# KiCad board AMLDC-2044B p2.kicad_pcb

No outline. copper layers: Top, Bottom. Coordinates in mm from the lowest, leftmost part position.

## Placement (name value [footprint] x y rotation side)
C1  CAP_Disc_Common_-_Entrex_Trapezoid  [Disc Capacitor Common Entrex Trapezoid]  105.97 373.63 90 top
C2  CAP_Disc_Common_-_Entrex_Trapezoid  [Disc Capacitor Common Entrex Trapezoid]  670.19 225.8 0 top
C3  CAP_Disc_Common_-_Entrex_Trapezoid  [Disc Capacitor Common Entrex Trapezoid]  670.19 221.75 0 top
C4  CAP_Disc_Common_-_Entrex_Trapezoid  [Disc Capacitor Common Entrex Trapezoid]  670.19 217.7 0 top
C5  CAP_Disc_Common_-_Entrex_Trapezoid  [Disc Capacitor Common Entrex Trapezoid]  345.97 398.1 180 top
C6  CAP  [CAP non-polarized P25.00mm]  123.88 497.57 0 top
C7  CAP_Disc_Common_-_Entrex_Trapezoid  [Disc Capacitor Common Entrex Trapezoid]  361.12 399.35 180 top
C8  CAP_Disc_Common_-_Entrex_Trapezoid  [Disc Capacitor Common Entrex Trapezoid]  426.64 166.03 180 top
C9  CAP_Disc_Common_-_Entrex_Trapezoid  [Disc Capacitor Common Entrex Trapezoid]  416.69 166.08 180 top
C10  CAP_Disc_Common_-_Entrex_Trapezoid  [Disc Capacitor Common Entrex Trapezoid]  120.61 133.3 0 top
C11  CAP_Disc_Common_-_Entrex_Trapezoid  [Disc Capacitor Common Entrex Trapezoid]  273.01 275.32 0 top
C12  CAP_Disc_Common_-_Entrex_Trapezoid  [Disc Capacitor Common Entrex Trapezoid]  266.37 308.41 0 top
C13  CAP_Disc_Common_-_Entrex_Trapezoid  [Disc Capacitor Common Entrex Trapezoid]  206.02 382.11 0 top
C14  CAP_Disc_Common_-_Entrex_Trapezoid  [Disc Capacitor Common Entrex Trapezoid]  223.27 387.33 90 top
C15  CAP_Disc_Common_-_Entrex_Trapezoid  [Disc Capacitor Common Entrex Trapezoid]  204.32 366.98 0 top
C16  CAP_Disc_Common_-_Entrex_Trapezoid  [Disc Capacitor Common Entrex Trapezoid]  167.47 399.31 0 top
C17  CAP_Disc_Common_-_Entrex_Trapezoid  [Disc Capacitor Common Entrex Trapezoid]  426.59 381.2 180 top
C18  CAP_Disc_Common_-_Entrex_Trapezoid  [Disc Capacitor Common Entrex Trapezoid]  621.71 147.28 0 top
C19  CAP_Disc_Common_-_Entrex_Trapezoid  [Disc Capacitor Common Entrex Trapezoid]  621.71 143.23 0 top
C20  CAP_Disc_Common_-_Entrex_Trapezoid  [Disc Capacitor Common Entrex Trapezoid]  621.71 139.18 0 top
C21  CAP_Disc_Common_-_Entrex_Trapezoid  [Disc Capacitor Common Entrex Trapezoid]  621.71 135.13 0 top
C22  CAP_Disc_Common_-_Entrex_Trapezoid  [Disc Capacitor Common Entrex Trapezoid]  621.71 131.08 0 top
C23  CAP_Disc_Common_-_Entrex_Trapezoid  [Disc Capacitor Common Entrex Trapezoid]  621.71 127.03 0 top
C24  CAP_Disc_Common_-_Entrex_Trapezoid  [Disc Capacitor Common Entrex Trapezoid]  311.04 349.53 180 top
C25  CAP_Disc_Common_-_Entrex_Trapezoid  [Disc Capacitor Common Entrex Trapezoid]  233.82 366.46 0 top
C26  CAP_Disc_Common_-_Entrex_Trapezoid  [Disc Capacitor Common Entrex Trapezoid]  232.67 327.51 0 top
C27  CAP_Disc_Common_-_Entrex_Trapezoid  [Disc Capacitor Common Entrex Trapezoid]  241.9 347.93 0 top
C28  CAP_Disc_Common_-_Entrex_Trapezoid  [Disc Capacitor Common Entrex Trapezoid]  178.22 372.61 0 top
C29  CAP_Disc_Common_-_Entrex_Trapezoid  [Disc Capacitor Common Entrex Trapezoid]  193.62 382.11 0 top
C30  CAP_Disc_Common_-_Entrex_Trapezoid  [Disc Capacitor Common Entrex Trapezoid]  207.97 399.16 0 top
C31  CAP_Disc_Common_-_Entrex_Trapezoid  [Disc Capacitor Common Entrex Trapezoid]  139.77 382.81 0 top
C32  CAP_Disc_Common_-_Entrex_Trapezoid  [Disc Capacitor Common Entrex Trapezoid]  631.65 151.33 0 top
C33  CAP_Disc_Common_-_Entrex_Trapezoid  [Disc Capacitor Common Entrex Trapezoid]  631.65 147.28 0 top
C34  CAP_Disc_Common_-_Entrex_Trapezoid  [Disc Capacitor Common Entrex Trapezoid]  631.65 143.23 0 top
C35  CAP_Disc_Common_-_Entrex_Trapezoid  [Disc Capacitor Common Entrex Trapezoid]  631.65 139.18 0 top
C36  CAP_Disc_Common_-_Entrex_Trapezoid  [Disc Capacitor Common Entrex Trapezoid]  387.47 114.18 180 top
C37  CAP_Disc_Common_-_Entrex_Trapezoid  [Disc Capacitor Common Entrex Trapezoid]  345.49 148.75 180 top
C38  CAP_Disc_Common_-_Entrex_Trapezoid  [Disc Capacitor Common Entrex Trapezoid]  387.62 149.1 180 top
C39  CAP_Disc_Common_-_Entrex_Trapezoid  [Disc Capacitor Common Entrex Trapezoid]  268.67 133.55 180 top
C40  CAP_Disc_Common_-_Entrex_Trapezoid  [Disc Capacitor Common Entrex Trapezoid]  304.99 362.53 180 top
C41  CAP_Disc_Common_-_Entrex_Trapezoid  [Disc Capacitor Common Entrex Trapezoid]  266.62 396.31 0 top
C42  CAP_Disc_Common_-_Entrex_Trapezoid  [Disc Capacitor Common Entrex Trapezoid]  275.02 381.86 0 top
C43  CAP_Disc_Common_-_Entrex_Trapezoid  [Disc Capacitor Common Entrex Trapezoid]  161.87 348.01 0 top
C44  CAP_Disc_Common_-_Entrex_Trapezoid  [Disc Capacitor Common Entrex Trapezoid]  191.07 350.56 0 top
C45  CAP_Disc_Common_-_Entrex_Trapezoid  [Disc Capacitor Common Entrex Trapezoid]  139.57 385.81 0 top
C46  CAP_Disc_Common_-_Entrex_Trapezoid  [Disc Capacitor Common Entrex Trapezoid]  149.17 384.21 0 top
C47  CAP_Disc_Common_-_Entrex_Trapezoid  [Disc Capacitor Common Entrex Trapezoid]  394.29 258.38 180 top
C48  CAP_Disc_Common_-_Entrex_Trapezoid  [Disc Capacitor Common Entrex Trapezoid]  375.15 254.38 270 top
C49  CAP_Disc_Common_-_Entrex_Trapezoid  [Disc Capacitor Common Entrex Trapezoid]  357.84 241.48 180 top
C50  CAP_Disc_Common_-_Entrex_Trapezoid  [Disc Capacitor Common Entrex Trapezoid]  349.34 256.78 180 top
C51  CAP_Disc_Common_-_Entrex_Trapezoid  [Disc Capacitor Common Entrex Trapezoid]  387.64 325.28 180 top
C52  CAP_Disc_Common_-_Entrex_Trapezoid  [Disc Capacitor Common Entrex Trapezoid]  344.49 364.53 180 top
C53  CAP_Disc_Common_-_Entrex_Trapezoid  [Disc Capacitor Common Entrex Trapezoid]  425.39 345.63 180 top
C54  CAP_Disc_Common_-_Entrex_Trapezoid  [Disc Capacitor Common Entrex Trapezoid]  418.24 209.48 180 top
C55  CAP_Disc_Common_-_Entrex_Trapezoid  [Disc Capacitor Common Entrex Trapezoid]  261.22 172.61 0 top
C56  CAP_Disc_Common_-_Entrex_Trapezoid  [Disc Capacitor Common Entrex Trapezoid]  266.03 290.78 0 top
C57  CAP_Disc_Common_-_Entrex_Trapezoid  [Disc Capacitor Common Entrex Trapezoid]  117.87 238.61 0 top
C58  CAP_Disc_Common_-_Entrex_Trapezoid  [Disc Capacitor Common Entrex Trapezoid]  128.37 350.41 0 top
C59  CAP_Disc_Common_-_Entrex_Trapezoid  [Disc Capacitor Common Entrex Trapezoid]  128.42 347.81 0 top
C60  CAP_Disc_Common_-_Entrex_Trapezoid  [Disc Capacitor Common Entrex Trapezoid]  128.42 332.81 0 top
C61  CAP_Disc_Common_-_Entrex_Trapezoid  [Disc Capacitor Common Entrex Trapezoid]  128.42 329.63 0 top
C62  CAP_Disc_Common_-_Entrex_Trapezoid  [Disc Capacitor Common Entrex Trapezoid]  154.27 295.86 0 top
C63  CAP_Disc_Common_-_Entrex_Trapezoid  [Disc Capacitor Common Entrex Trapezoid]  114.26 275.32 0 top
C64  CAP_Disc_Common_-_Entrex_Trapezoid  [Disc Capacitor Common Entrex Trapezoid]  126.82 238.61 0 top
C65  CAP_Disc_Common_-_Entrex_Trapezoid  [Disc Capacitor Common Entrex Trapezoid]  122.73 232.09 315 top
C66  CAP_Disc_Common_-_Entrex_Trapezoid  [Disc Capacitor Common Entrex Trapezoid]  156.22 230.7 135 top
C67  CAP_Disc_Common_-_Entrex_Trapezoid  [Disc Capacitor Common Entrex Trapezoid]  195.99 232.09 315 top
C68  CAP_Disc_Common_-_Entrex_Trapezoid  [Disc Capacitor Common Entrex Trapezoid]  235.58 234.44 135 top
C69  CAP_Disc_Common_-_Entrex_Trapezoid  [Disc Capacitor Common Entrex Trapezoid]  196.87 171.31 0 top
C70  CAP_Disc_Common_-_Entrex_Trapezoid  [Disc Capacitor Common Entrex Trapezoid]  230.12 171.11 0 top
C71  CAP_Disc_Common_-_Entrex_Trapezoid  [Disc Capacitor Common Entrex Trapezoid]  118.82 256.36 0 top
C72  CAP_Disc_Common_-_Entrex_Trapezoid  [Disc Capacitor Common Entrex Trapezoid]  127.97 256.41 0 top
CR1  1N4001  [D_DO-41_SOD81_P12.70mm_Horizontal]  111.83 388.34 0 top
CR2  1N4001  [Diode for Entrex-AMLDC Board]  401.83 275.89 270 top
CR3  1N4001  [Diode for Entrex-AMLDC Board]  181.8 379.84 180 top
CR4  1N4001  [Diode for Entrex-AMLDC Board]  215.43 374.22 90 top
CR5  1N4001  [Diode for Entrex-AMLDC Board]  92.18 380.92 90 top
J1  Port A  [portA_NovaMod]  0 308.61 0 top
J2  Port B  [portB_NovaMod]  3.28 119.76 0 top
JP1  Vipass Ammeter  [DG Nova Board Jumper 5mm]  125.28 296.8 270 top
JP2  Vipass Ammeter  [DG Nova Board Jumper 5mm]  122.78 296.85 270 top
JP3  Vipass Ammeter  [DG Nova Board Jumper 5mm]  120.28 296.8 270 top
JP4  Vipass Ammeter  [DG Nova Board Jumper 5mm]  117.78 296.8 270 top
JP5  Vipass Ammeter  [DG Nova Board Jumper 5mm]  115.28 296.8 270 top
JP6  Vipass Ammeter  [DG Nova Board Jumper 5mm]  112.78 296.85 270 top
JP7  Vipass Ammeter  [DG Nova Board Jumper 3.8mm]  136.94 160.74 0 top
JP8  Vipass Ammeter  [DG Nova Board Jumper 3.8mm]  136.99 158.14 0 top
Q1  PNP MPS6533  [TO-92]  418.83 170.59 135 top
R1  ~  [R_Axial_DIN0411_L9.9mm_D3.6mm_P12.70mm_Horizontal]  256.73 383.09 90 top
R2  ~  [Resistor for Entrex-AMLDC Board#2]  253.98 369.14 90 top
R3  R_US  [Resistor for Entrex-AMLDC Board]  175.86 303.26 90 top
R4  ~  [Resistor for Entrex-AMLDC Board]  96.48 249.67 0 top
R5  R_US  [Resistor for Entrex-AMLDC Board]  172.05 296.28 90 top
R6  R_US  [Resistor for Entrex-AMLDC Board]  142.63 277.69 90 top
R7  R_US  [Resistor for Entrex-AMLDC Board]  130.38 277.74 90 top
R8  R_US  [Resistor for Entrex-AMLDC Board]  142.38 312.04 0 top
R9  R_US  [Resistor for Entrex-AMLDC Board]  148.55 351.52 0 top
R10  R_US  [Resistor for Entrex-AMLDC Board]  129.56 371.79 0 top
R11  R_US  [Resistor for Entrex-AMLDC Board]  148.33 366.74 0 top
R12  R_US  [Resistor for Entrex-AMLDC Board]  171.83 364.74 0 top
R13  R_US  [Resistor for Entrex-AMLDC Board]  185.96 366.69 0 top
R14  R_US  [Resistor for Entrex-AMLDC Board]  169.63 354.04 0 top
R15  R_US  [Resistor for Entrex-AMLDC Board]  91.48 230.59 90 top
R16  R_US  [Resistor for Entrex-AMLDC Board]  93.93 226.84 90 top
R17  R_US  [Resistor for Entrex-AMLDC Board]  91.38 247.34 90 top
R18  R_US  [Resistor for Entrex-AMLDC Board]  100.13 384.42 90 top
R19  R_US  [Resistor for Entrex-AMLDC Board]  111.03 392.44 0 top
R20  R_US  [Resistor for Entrex-AMLDC Board]  416.6 181.69 0 top
R21  R_US  [Resistor for Entrex-AMLDC Board]  412.95 177.64 0 top
R22  R_US  [Resistor for Entrex-AMLDC Board]  434.08 148.59 90 top
R23  R_US  [Resistor for Entrex-AMLDC Board]  426.88 158.44 180 top
R24  R_US  [Resistor for Entrex-AMLDC Board]  412.83 154.94 0 top
R25  R_US  [Resistor for Entrex-AMLDC Board]  414.06 162.49 0 top
R26  R_US  [Resistor for Entrex-AMLDC Board]  596.78 156.79 0 top
R27  R_US  [Resistor for Entrex-AMLDC Board]  224.18 365.52 90 top
R28  R_US  [Resistor for Entrex-AMLDC Board]  664.44 192.12 180 top
R29  R_US  [Resistor for Entrex-AMLDC Board]  220.53 384.44 90 top
R30  R_US  [Resistor for Entrex-AMLDC Board]  217.83 384.79 90 top
R31  R_US  [Resistor for Entrex-AMLDC Board]  282.18 295.44 0 top
R32  R_US  [Resistor for Entrex-AMLDC Board]  104.74 323.58 90 top
R33  R_US  [Resistor for Entrex-AMLDC Board]  123.98 329.74 180 top
R34  R_US  [Resistor for Entrex-AMLDC Board]  86.23 238.24 90 top
R35  R_US  [Resistor for Entrex-AMLDC Board]  88.73 234.27 90 top
R36  R_US  [Resistor for Entrex-AMLDC Board]  88.78 251.04 90 top
R37  R_US  [Resistor for Entrex-AMLDC Board]  104.78 384.59 90 top
R38  R_US  [Resistor for Entrex-AMLDC Board]  129.68 388.64 0 top
R39  R_US  [Resistor for Entrex-AMLDC Board]  405.83 296.54 90 top
R40  R_US  [Resistor for Entrex-AMLDC Board]  379.33 241.34 180 top
R41  R_US  [Resistor for Entrex-AMLDC Board]  338.28 257.24 90 top
R42  R_US  [Resistor for Entrex-AMLDC Board]  402.68 237.46 90 top
R43  R_US  [Resistor for Entrex-AMLDC Board]  401.8 245.04 90 top
R44  R_US  [Resistor for Entrex-AMLDC Board]  293.73 349.34 90 top
R45  R_US  [Resistor for Entrex-AMLDC Board]  321.18 349.94 90 top
R46  R_US  [Resistor for Entrex-AMLDC Board]  620.82 156.86 0 top
R47  R_US  [Resistor for Entrex-AMLDC Board]  257.14 276.59 90 top
R48  R_US  [Resistor for Entrex-AMLDC Board]  249.52 281.67 90 top
R49  R_US  [Resistor for Entrex-AMLDC Board]  111.18 384.44 0 top
R50  R_US  [Resistor for Entrex-AMLDC Board]  183.58 368.27 90 top
R51  R_US  [Resistor for Entrex-AMLDC Board]  124.23 347.69 180 top
R53  R_US  [Resistor for Entrex-AMLDC Board]  123.98 332.92 180 top
R54  R_US  [Resistor for Entrex-AMLDC Board]  105.41 290.52 90 top
R55  R_US  [Resistor for Entrex-AMLDC Board]  105.48 263.67 90 top
R56  R_US  [Resistor for Entrex-AMLDC Board]  85.93 255.04 90 top
R57  R_US  [Resistor for Entrex-AMLDC Board]  96.41 242.44 0 top
R58  R_US  [Resistor for Entrex-AMLDC Board]  169.41 386.79 0 top
R59  R_US  [Resistor for Entrex-AMLDC Board]  632.82 229.18 0 top
R60  R_US  [Resistor for Entrex-AMLDC Board]  632.82 224.22 0 top
R61  R_US  [Resistor for Entrex-AMLDC Board]  632.82 219.26 0 top
R62  R_US  [Resistor for Entrex-AMLDC Board]  632.82 214.3 0 top
R63  R_US  [Resistor for Entrex-AMLDC Board]  632.82 209.34 0 top
R64  R_US  [Resistor for Entrex-AMLDC Board]  632.82 204.38 0 top
R65  R_US  [Resistor for Entrex-AMLDC Board]  632.82 199.42 0 top
R66  R_US  [Resistor for Entrex-AMLDC Board]  632.82 194.46 0 top
R67  R_US  [Resistor for Entrex-AMLDC Board]  278.78 275.14 0 top
R68  R_US  [Resistor for Entrex-AMLDC Board]  256.23 294.47 90 top
R69  R_US  [Resistor for Entrex-AMLDC Board]  405.03 277.19 90 top
R70  R_US  [Resistor for Entrex-AMLDC Board]  191 384.29 0 top
R71  R_US  [Resistor for Entrex-AMLDC Board]  124.1 350.54 180 top
R72  R_US  [Resistor for Entrex-AMLDC Board]  143.38 356.79 180 top
R73  R_US  [Resistor for Entrex-AMLDC Board]  102.73 305.64 90 top
R74  R_US  [Resistor for Entrex-AMLDC Board]  105.41 304.49 90 top
R75  R_US  [Resistor for Entrex-AMLDC Board]  96.53 253.73 0 top
R76  R_US  [Resistor for Entrex-AMLDC Board]  96.48 246.11 0 top
R77  R_US  [Resistor for Entrex-AMLDC Board]  148.88 399.14 0 top
R78  R_US  [Resistor for Entrex-AMLDC Board]  650.19 229.18 0 top
R79  R_US  [Resistor for Entrex-AMLDC Board]  374.58 376.52 90 top
R80  R_US  [Resistor for Entrex-AMLDC Board]  356.06 396.97 0 top
R81  R_US  [Resistor for Entrex-AMLDC Board]  334.48 395.64 0 top
R82  R_US  [Resistor for Entrex-AMLDC Board]  650.19 209.34 0 top
R83  R_US  [Resistor for Entrex-AMLDC Board]  650.19 204.38 0 top
R84  R_US  [Resistor for Entrex-AMLDC Board]  650.19 199.42 0 top
R85  R_US  [Resistor for Entrex-AMLDC Board]  172.33 160.94 0 top
R86  R_US  [Resistor for Entrex-AMLDC Board]  648.02 184.48 0 top
R87  R_US  [Resistor for Entrex-AMLDC Board]  284.03 381.97 90 top
R88  R_US  [Resistor for Entrex-AMLDC Board]  255.87 359.78 90 top
R89  R_US  [Resistor for Entrex-AMLDC Board]  250.79 333.74 90 top
R90  R_US  [Resistor for Entrex-AMLDC Board]  188.56 330.57 0 top
R91  R_US  [Resistor for Entrex-AMLDC Board]  189.98 399.14 0 top
R92  R_US  [Resistor for Entrex-AMLDC Board]  94.03 243.47 90 top
R93  R_US  [Resistor for Entrex-AMLDC Board]  107.28 323.58 90 top
R94  R_US  [Resistor for Entrex-AMLDC Board]  129.68 379.39 0 top
UB1  74LS37  [DIP-14_W7.62mm]  147.78 388.36 90 top
UB2  74LS10  [DIP-14_W7.62mm]  188.53 388.46 90 top
UB3  DM958  [DIP-14_W7.62mm]  228.84 386.27 90 top
UB4  74LS123  [DIP-16_W7.62mm]  261.34 385.67 90 top
UB5  74LS02  [DIP-14_W7.62mm]  298.98 385.22 90 top
UB6  74LS38  [DIP-14_W7.62mm]  343.53 385.22 90 top
UB7  74LS32  [DIP-14_W7.62mm]  380.48 384.97 90 top
UB8  74LS93  [DIP-14_W7.62mm]  416.76 384.87 90 top
UC0  74LS04  [DIP-14_W7.62mm]  109.94 371.75 90 top
UC1  74LS00  [DIP-14_W7.62mm]  147.89 371.69 90 top
UC2  74LS123  [DIP-16_W7.62mm]  188.44 370.43 90 top
UC3  74LS74  [DIP-14_W7.62mm]  228.82 371.84 90 top
UC4  74LS00  [DIP-14_W7.62mm]  261.53 369.06 90 top
UC5  74LS02  [DIP-14_W7.62mm]  298.78 368.62 90 top
UC6  74LS74  [DIP-14_W7.62mm]  343.33 368.57 90 top
UC7  74LS74  [DIP-14_W7.62mm]  380.38 368.57 90 top
UC8  74LS00  [DIP-14_W7.62mm]  416.18 368.67 90 top
UD0  74LS10  [DIP-14_W7.62mm]  109.84 355.23 90 top
UD1  74LS10  [DIP-14_W7.62mm]  147.84 355.24 90 top
UD2  74LS10  [DIP-14_W7.62mm]  188.53 354.02 90 top
UD3  74LS123  [DIP-16_W7.62mm]  228.68 355.14 90 top
UD4  74LS74  [DIP-14_W7.62mm]  261.63 352.64 90 top
UD5  74LS123  [DIP-16_W7.62mm]  298.66 352.39 90 top
UD6  74LS10  [DIP-14_W7.62mm]  343.28 352.32 90 top
UD7  74LS74  [DIP-14_W7.62mm]  380.18 352.22 90 top
UD8  74LS74  [DIP-14_W7.62mm]  416.63 352.02 90 top
UE0  74LS10  [DIP-14_W7.62mm]  109.94 336.04 90 top
UE1  74LS74  [DIP-14_W7.62mm]  148.04 336.14 90 top
UE2  74LS74  [DIP-14_W7.62mm]  188.32 336.24 90 top
UE3  74LS74  [DIP-14_W7.62mm]  228.91 336.09 90 top
UE4  74LS02  [DIP-14_W7.62mm]  261.68 333.54 90 top
UE5  74LS08  [DIP-14_W7.62mm]  298.63 333.47 90 top
UE6  74LS00  [DIP-14_W7.62mm]  343.28 333.22 90 top
UE7  7425  [DIP-14_W7.62mm]  380.08 333.17 90 top
UE8  74LS08  [DIP-14_W7.62mm]  416.78 332.97 90 top
UF0  74LS04  [DIP-14_W7.62mm]  110.04 317.04 90 top
UF1  74LS14  [DIP-14_W7.62mm]  147.84 316.99 90 top
UF2  74LS06  [DIP-14_W7.62mm]  188.58 317.13 90 top
UF3  9328  [DIP-16_W7.62mm]  228.96 317.12 90 top
UF4  74LS74  [DIP-14_W7.62mm]  261.73 314.45 90 top
UF5  74LS74  [DIP-14_W7.62mm]  298.83 314.22 90 top
UF6  74LS00  [DIP-14_W7.62mm]  343.28 314.12 90 top
UF7  74LS74  [DIP-14_W7.62mm]  380.08 313.89 90 top
UF8  74LS20  [DIP-14_W7.62mm]  416.33 313.72 90 top
UG0  74LS30  [DIP-14_W7.62mm]  110.04 300.48 90 top
UG1  74LS38  [DIP-14_W7.62mm]  148.09 300.43 90 top
UG2  74LS02  [DIP-14_W7.62mm]  188.53 300.62 90 top
UG3  74LS86  [DIP-14_W7.62mm]  228.81 300.43 90 top
UG4  74LS123  [DIP-16_W7.62mm]  261.53 297.98 90 top
UG5  74LS74  [DIP-14_W7.62mm]  298.83 297.54 90 top
UG6  74LS32  [DIP-14_W7.62mm]  343.19 297.54 90 top
UG7  74LS00  [DIP-14_W7.62mm]  379.98 297.29 90 top
UG8  74LS02  [DIP-14_W7.62mm]  416.23 297.17 90 top
UH0  74LS04  [DIP-14_W7.62mm]  109.99 282.38 90 top
UH1  74LS00  [DIP-14_W7.62mm]  148.09 282.7 90 top
UH2  74LS00  [DIP-14_W7.62mm]  188.58 282.59 90 top
UH3  74LS00  [DIP-14_W7.62mm]  229.01 282.55 90 top
UH4  74LS123  [DIP-16_W7.62mm]  261.53 280.05 90 top
UH5  74LS74  [DIP-14_W7.62mm]  298.78 279.92 90 top
UH6  74LS00  [DIP-14_W7.62mm]  343.18 279.84 90 top
UH7  74LS74  [DIP-14_W7.62mm]  379.91 279.81 90 top
UJ0  74LS38  [DIP-14_W7.62mm]  109.94 263.6 90 top
UJ1  74LS74  [DIP-14_W7.62mm]  148.09 263.45 90 top
UJ2  74LS74  [DIP-14_W7.62mm]  188.58 263.55 90 top
UJ3  74LS10  [DIP-14_W7.62mm]  229.12 263.48 90 top
UJ6  74LS10  [DIP-14_W7.62mm]  343.18 263.22 90 top
UJ7  74LS123  [DIP-16_W7.62mm]  379.78 263.14 90 top
UK0  74LS08  [DIP-14_W7.62mm]  115.12 244.35 90 top
UK1  74LS74  [DIP-14_W7.62mm]  148.09 247.09 90 top
UK2  74LS00  [DIP-14_W7.62mm]  188.63 246.82 90 top
UK5  74LS07  [DIP-14_W7.62mm]  298.48 231.34 90 top
UK6  74LS123  [DIP-16_W7.62mm]  343.13 246.69 90 top
UK7  74LS00  [DIP-14_W7.62mm]  379.68 246.29 90 top
UK8  74LS02  [DIP-14_W7.62mm]  416.08 246.39 90 top
UL0  74LS38  [DIP-14_W7.62mm]  115.33 213.86 90 top
UL1  74LS197  [DIP-14_W7.62mm]  148.19 213.76 90 top
UL2  74LS37  [DIP-14_W7.62mm]  188.48 213.86 90 top
UL3  74LS38  [DIP-14_W7.62mm]  228.91 213.87 90 top
UL4  74LS197  [DIP-14_W7.62mm]  261.37 221.38 90 top
UL5  9321  [DIP-16_W7.62mm]  298.6 213.97 90 top
UL6  74LS32  [DIP-14_W7.62mm]  342.98 213.52 90 top
UL7  74LS74  [DIP-14_W7.62mm]  379.38 213.47 90 top
UM0  74LS38  [DIP-14_W7.62mm]  115.22 197.25 90 top
UM1  74LS197  [DIP-14_W7.62mm]  148.19 197.46 90 top
UM2  74LS165  [DIP-16_W7.62mm]  188.5 197.2 90 top
UM3  74LS38  [DIP-14_W7.62mm]  228.82 197.29 90 top
UM4  74LS197  [DIP-14_W7.62mm]  261.07 197.29 90 top
UM5  74LS00  [DIP-14_W7.62mm]  298.53 197.27 90 top
UM6  74LS02  [DIP-14_W7.62mm]  342.98 196.97 90 top
UM7  74LS74  [DIP-14_W7.62mm]  379.33 196.84 90 top
UM8  74LS76  [DIP-16_W7.62mm]  415.04 197.03 90 top
UN0  74LS04  [DIP-14_W7.62mm]  110.3 180.78 90 top
UN1  74LS75  [DIP-16_W7.62mm]  148.16 180.74 90 top
UN2  74LS75  [DIP-16_W7.62mm]  188.75 180.77 90 top
UN3  74LS04  [DIP-14_W7.62mm]  228.86 180.64 90 top
UN4  74LS75  [DIP-16_W7.62mm]  261.29 180.59 90 top
UN5  74LS165  [DIP-16_W7.62mm]  298.78 180.57 90 top
UN6  74LS02  [DIP-14_W7.62mm]  342.93 180.52 90 top
UN7  74LS20  [DIP-14_W7.62mm]  379.33 180.37 90 top
UP0  74LS38  [DIP-14_W7.62mm]  110.4 155.38 90 top
UP1  74LS38  [DIP-14_W7.62mm]  148.24 155.29 90 top
UP2  74LS06  [DIP-14_W7.62mm]  191.12 155.29 90 top
UP3  74LS38  [DIP-14_W7.62mm]  228.92 155.39 90 top
UP4  8266  [DIP-16_W7.62mm]  261.18 155.23 90 top
UP5  7425  [DIP-14_W7.62mm]  298.73 155.32 90 top
UP6  74LS74  [DIP-14_W7.62mm]  342.88 154.99 90 top
UP7  74LS93  [DIP-14_W7.62mm]  379.23 154.89 90 top
UR0  74LS38  [DIP-14_W7.62mm]  110.55 137.51 90 top
UR1  74LS75  [DIP-16_W7.62mm]  148.2 137.5 90 top
UR2  74LS75  [DIP-16_W7.62mm]  188.55 137.61 90 top
UR3  74LS38  [DIP-14_W7.62mm]  228.92 137.45 90 top
UR4  74LS75  [DIP-16_W7.62mm]  261.14 137.36 90 top
UR5  74164  [DIP-14_W7.62mm]  298.43 137.37 90 top
UR6  74LS74  [DIP-14_W7.62mm]  342.93 135.94 90 top
UR7  74LS93  [DIP-14_W7.62mm]  379.23 135.89 90 top
US0  74LS38  [DIP-14_W7.62mm]  110.55 120.84 90 top
US1  74LS75  [DIP-16_W7.62mm]  148.16 121 90 top
US2  74164  [DIP-14_W7.62mm]  188.43 120.99 90 top
US3  74LS38  [DIP-14_W7.62mm]  228.66 120.74 90 top
US4  74LS75  [DIP-16_W7.62mm]  261.28 120.79 90 top
US6  74LS74  [DIP-14_W7.62mm]  342.88 120.72 90 top
US7  74LS93  [DIP-14_W7.62mm]  379.03 120.57 90 top
UT0  74LS38  [DIP-14_W7.62mm]  584.33 32.55 90 top
UT1  74LS38  [DIP-14_W7.62mm]  584.33 43.4 90 top
UT2  7425  [DIP-14_W7.62mm]  584.33 54.25 90 top
UT3  74LS38  [DIP-14_W7.62mm]  584.33 65.1 90 top
UT6  74LS74  [DIP-14_W7.62mm]  584.33 75.95 90 top
UT7  74LS93  [DIP-14_W7.62mm]  584.33 86.8 90 top
UU0  74LS38  [DIP-14_W7.62mm]  584.33 97.65 90 top
UU1  74LS197  [DIP-14_W7.62mm]  584.33 108.5 90 top
UU2  74LS86  [DIP-14_W7.62mm]  584.33 119.35 90 top
UU3  74LS38  [DIP-14_W7.62mm]  584.33 130.2 90 top
UU4  74LS197  [DIP-16_W7.62mm]  666.93 32.55 90 top
UU5  74LS21  [DIP-14_W7.62mm]  603.73 0 90 top
UV0  74LS38  [DIP-14_W7.62mm]  665.19 122.52 90 top
UV1  74LS197  [DIP-14_W7.62mm]  603.73 10.85 90 top
UV2  74LS04  [DIP-14_W7.62mm]  603.73 21.7 90 top
UV3  74LS38  [DIP-14_W7.62mm]  603.73 32.55 90 top
UV4  74179 / or / 8271  [DIP-16_W7.62mm]  666.87 105.14 90 top
UV5  74LS175  [DIP-16_W7.62mm]  666.93 43.4 90 top
UV6  74LS74  [DIP-14_W7.62mm]  603.73 43.4 90 top
UV7  74LS00  [DIP-14_W7.62mm]  603.73 54.25 90 top
UW0  74LS04  [DIP-14_W7.62mm]  603.73 65.1 90 top
UW1  74LS75  [DIP-16_W7.62mm]  666.93 54.25 90 top
UW2  74LS75  [DIP-16_W7.62mm]  666.93 65.1 90 top
UW3  74LS04  [DIP-14_W7.62mm]  603.73 75.95 90 top
UW4  74LS75  [DIP-16_W7.62mm]  666.93 75.95 90 top
UW5  74LS175  [DIP-16_W7.62mm]  666.93 86.8 90 top
UW6  74LS06N  [DIP-14_W7.62mm]  603.73 86.8 90 top
Y1  Crystal  [Crystal_HC49-U_Horizontal_1EP_style1]  421.69 140.93 0 top
